# KiCad board hall effect keyboard.kicad_pcb (continued)
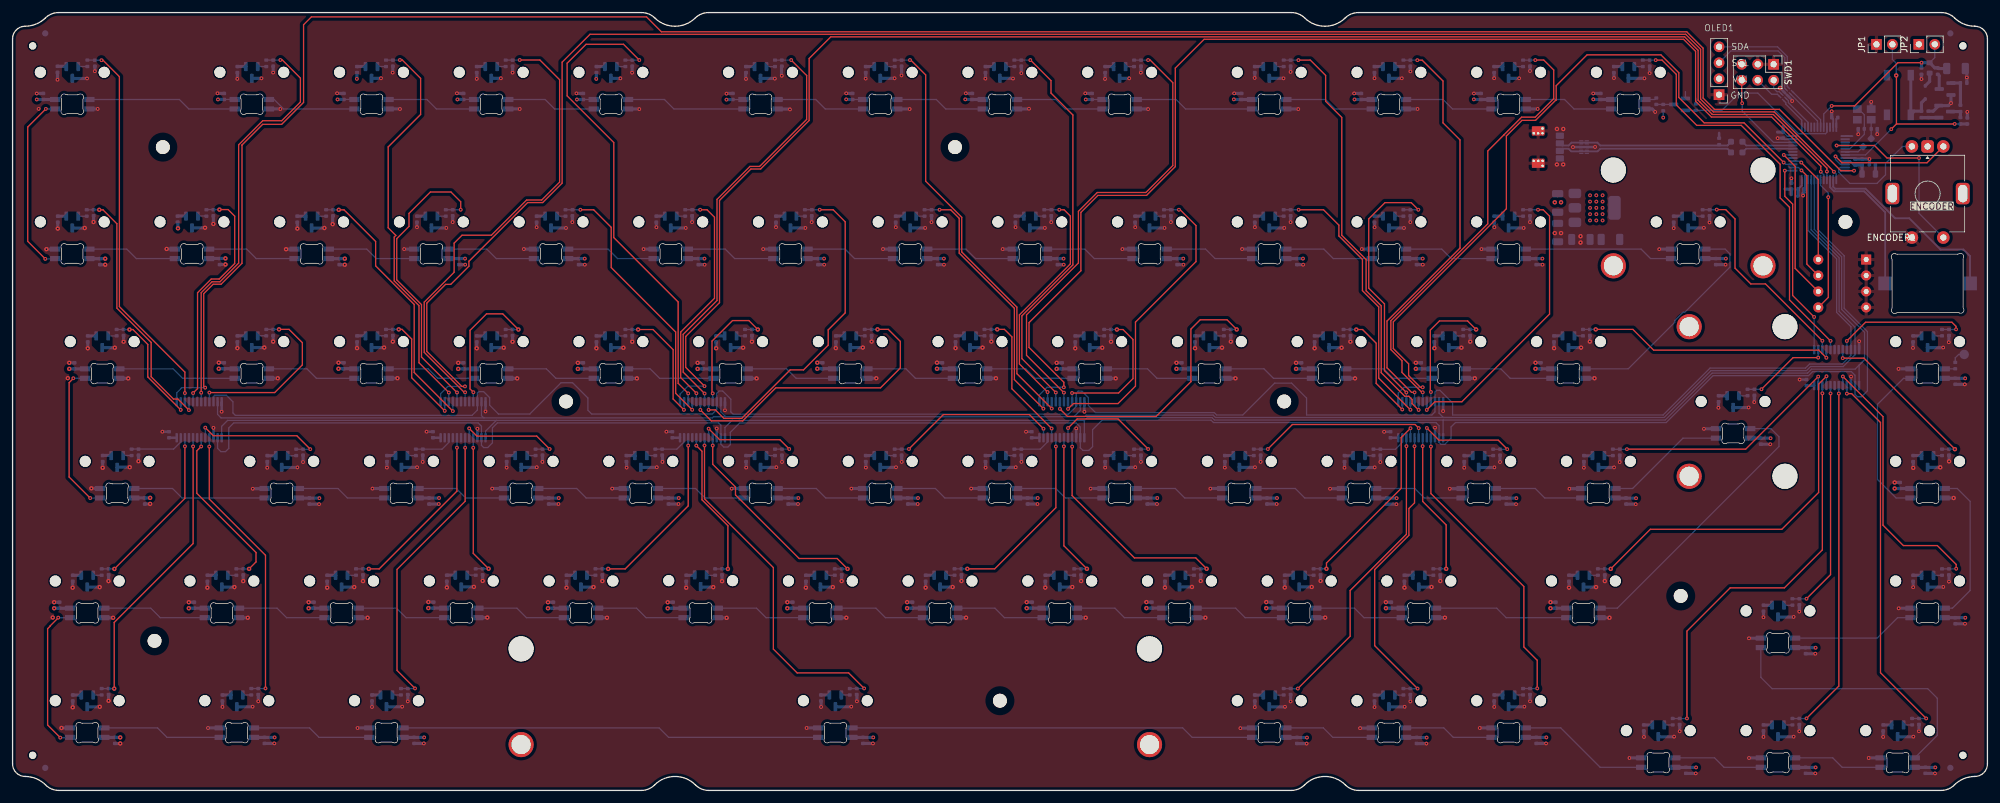
[diagram p0: board, top side]
## Routing (per net, layer and track width the routed paths; a pad name or vN(x,y) marks a point on that pad's centre or on a via; arc(x,y) is an arc through that point) (continued)
/multiplexers/keys/KEYS_2_9: length 43.7
  Top w0.2: v1(166.68,60.72) 167.88,59.52 182,59.52 187.54,65.06 187.54,65.07 187.54,73.43 189.02,74.91 193.28,74.91 v2(194.82,73.36)
  Bottom w0.2: 166.68,61.85 166.68,60.73 v1(166.68,60.72) ; v2(194.82,73.36) 192.79,73.36
/multiplexers/keys/KEYS_2_10: length 19.6
  Top w0.2: v2(213.85,73.35) 214.85,73.35 217.02,71.18 217.02,64.78 v1(221.17,60.63)
  Bottom w0.2: v2(213.85,73.35) 211.81,73.35 ; 221.18,61.85 221.18,60.64 v1(221.17,60.63)
/multiplexers/keys/KEYS_2_11: length 21.9
  Top w0.2: v1(225.73,63.41) 225.63,63.51 225.63,73.27 227.09,74.72 231.57,74.72 v2(232.92,73.36)
  Bottom w0.2: v2(232.92,73.36) 230.88,73.36 ; v1(225.73,63.41) 225.73,63.41 225.73,61.85
/multiplexers/keys/KEYS_2_12: length 41.9
  Top w0.2: v1(288.67,68.86) 287.46,70.07 261.18,70.07 257.88,73.37 v2(251.96,73.37)
  Bottom w0.2: 249.93,73.37 v2(251.96,73.37) ; v1(288.67,68.86) 288.68,68.87 U10.4
/multiplexers/keys/KEYS_2_13: length 14.6
  Top w0.2: v1(278.34,63.85) 283.37,68.88 v1(287.37,68.88)
  Bottom w0.2: 277.19,63.83 278.31,63.83 ; U10.2 287.38,68.89 v1(287.37,68.88) ; 276.09,63.83 277.19,63.83
/multiplexers/keys/KEYS_2_14: length 23
  Top w0.2: v1(309.3,73.39) 309.3,73.86 308.65,74.51 294.9,74.51 v1(291.92,71.53)
  Bottom w0.2: 307.06,73.36 309.28,73.36 ; v1(291.92,71.53) 291.93,71.53 U10.9
/multiplexers/keys/KEYS_3_0: length 9
  Bottom w0.2: 18.94,54.33 25.64,54.33 26.78,55.47 U5.23
/multiplexers/keys/KEYS_3_1: length 22
  Top w0.2: v1(30.67,57.74) 31.96,56.45 45.24,56.45 v1(47.38,54.31)
  Bottom w0.2: 45.13,54.29 46.23,54.29 ; 46.23,54.29 47.35,54.29 ; v1(30.67,57.74) 30.68,57.74 U5.17
/multiplexers/keys/KEYS_3_2: length 6.4
  Bottom w0.2: 64.18,54.31 68.35,54.31 69.43,55.39 U6.22
/multiplexers/keys/KEYS_3_3: length 17.9
  Top w0.2: v1(85.48,54.34) 83.42,56.39 73.9,56.39 v1(72.67,57.62)
  Bottom w0.2: U6.17 72.68,57.62 v1(72.67,57.62) ; 83.23,54.31 85.45,54.31
/multiplexers/keys/KEYS_3_4: length 5.7
  Bottom w0.2: 102.33,54.31 105.71,54.31 106.88,55.47 U7.23
/multiplexers/keys/KEYS_3_5: length 17.8
  Top w0.2: v1(123.6,54.34) 122.12,55.82 112.53,55.82 v1(110.78,57.57)
  Bottom w0.2: 121.36,54.31 123.58,54.31 ; U7.17 110.78,57.57 v1(110.78,57.57)
/multiplexers/keys/KEYS_3_6: length 28.3
  Top w0.2: v1(142.65,54.34) 148.14,59.82 161.82,59.82 v1(164.07,57.57)
  Bottom w0.2: U8.23 164.08,57.57 v1(164.07,57.57) ; 140.41,54.31 142.63,54.31
/multiplexers/keys/KEYS_3_7: length 6.4
  Bottom w0.2: 159.46,54.31 163.56,54.31 164.73,55.47 U8.22
/multiplexers/keys/KEYS_3_8: length 19.1
  Top w0.2: v1(180.73,54.34) 175.94,59.12 169.43,59.12 v1(167.98,57.67)
  Bottom w0.2: 178.48,54.31 180.7,54.31 ; v1(167.98,57.67) 167.98,57.67 U8.17
/multiplexers/keys/KEYS_3_9: length 29.6
  Top w0.2: v1(223.79,57.66) 223.21,58.24 203.68,58.24 v1(199.78,54.34)
  Bottom w0.2: U9.19 223.78,57.65 v1(223.79,57.66) ; 199.75,54.31 197.53,54.31
/multiplexers/keys/KEYS_3_10: length 5.8
  Bottom w0.2: 216.58,54.29 217.68,54.29 ; 217.68,54.29 220.07,54.29 221.18,55.39 U9.23
/multiplexers/keys/KEYS_3_11: length 18
  Top w0.2: v1(225.08,57.68) 227.01,55.75 236.44,55.75 v1(237.88,54.31)
  Bottom w0.2: 236.73,54.29 237.85,54.29 ; v1(225.08,57.68) 225.08,57.68 U9.17 ; 235.63,54.29 236.73,54.29
/multiplexers/keys/KEYS_3_12: length 38.9
  Top w0.2: v1(287.37,65.86) 275.82,54.31 v1(256.93,54.31)
  Bottom w0.2: 254.68,54.29 255.78,54.29 ; v1(287.37,65.86) 287.38,65.86 U10.23 ; 255.78,54.29 256.9,54.29
/multiplexers/keys/KEYS_3_13: length 27.2
  Top w0.2: v2(309.13,54.32) 294.65,68.8 v1(291.27,68.8)
  Bottom w0.2: v1(291.27,68.8) 291.28,68.8 U10.8 ; v2(309.13,54.32) 307.09,54.32
/multiplexers/keys/KEYS_4_0: length 27.6
  Top w0.2: v2(16.2,35.25) 27.43,46.48 v1(27.43,54.77)
  Bottom w0.2: U5.22 27.43,54.78 v1(27.43,54.77) ; v2(16.2,35.25) 14.16,35.25
/multiplexers/keys/KEYS_4_1: length 27.6
  Top w0.2: v2(37.64,35.26) 37.64,35.26 38.75,36.37 38.75,37.86 29.32,47.29 29.32,54.04 v1(30.02,54.74)
  Bottom w0.2: U5.18 30.03,54.75 v1(30.02,54.74) ; 35.6,35.26 v2(37.64,35.26)
/multiplexers/keys/KEYS_4_2: length 29.7
  Top w0.2: v2(56.71,35.26) 58.35,35.26 70.72,47.63 v1(70.72,54.55)
  Bottom w0.2: U6.20 70.73,54.56 v1(70.72,54.55) ; 54.67,35.26 v2(56.71,35.26)
/multiplexers/keys/KEYS_4_3: length 23.9
  Top w0.2: v1(73.32,54.53) 73.32,37.72 v2(75.76,35.29)
  Bottom w0.2: 73.72,35.29 v2(75.76,35.29) ; U6.16 73.33,54.54 v1(73.32,54.53)
/multiplexers/keys/KEYS_4_4: length 29.8
  Top w0.2: v2(94.8,35.26) 97.49,35.26 107.53,45.29 v1(107.53,54.88)
  Bottom w0.2: 92.76,35.26 v2(94.8,35.26) ; v1(107.53,54.88) 107.53,54.89 U7.22
/multiplexers/keys/KEYS_4_5: length 25
  Top w0.2: v2(113.85,35.25) 113.85,42.13 109.72,46.26 109.72,53.98 v1(108.82,54.88)
  Bottom w0.2: v1(108.82,54.88) 108.83,54.89 U7.20 ; v2(113.85,35.25) 111.81,35.25
/multiplexers/keys/KEYS_4_6: length 35.3
  Top w0.2: v2(132.89,35.26) 131.23,36.91 125.18,36.91 115.05,47.04 115.05,48.29 111.43,51.91 v1(111.43,54.9)
  Bottom w0.2: v2(132.89,35.26) 130.85,35.26 ; v1(111.43,54.9) 111.43,54.91 U7.16
/multiplexers/keys/KEYS_4_7: length 31.3
  Top w0.2: v1(166.04,54.74) 166.04,45 156.31,35.27 v2(151.95,35.27)
  Bottom w0.2: v2(151.95,35.27) 149.91,35.27 ; v1(166.04,54.74) 166.03,54.76 U8.20
/multiplexers/keys/KEYS_4_8: length 24.4
  Top w0.2: v2(170.99,35.27) 167.32,38.93 v1(167.32,54.76)
  Bottom w0.2: U8.18 167.33,54.77 v1(167.32,54.76) ; 168.95,35.27 v2(170.99,35.27)
/multiplexers/keys/KEYS_4_9: length 37.5
  Top w0.2: v2(190.04,35.28) 188.3,37.01 178.54,37.01 168.63,46.92 v1(168.63,54.71)
  Bottom w0.2: v2(190.04,35.28) 188,35.28 ; v1(168.63,54.71) 168.63,54.72 U8.16
/multiplexers/keys/KEYS_4_10: length 31.5
  Top w0.2: v1(222.48,57.64) 221,56.16 221,48.08 209.11,36.19 v2(209.11,35.28)
  Bottom w0.2: v2(209.11,35.28) 207.07,35.28 ; U9.21 222.48,57.64 v1(222.48,57.64)
/multiplexers/keys/KEYS_4_11: length 24.5
  Top w0.2: v2(228.16,35.27) 228.16,42.25 224.42,45.99 v1(224.42,54.79)
  Bottom w0.2: v1(224.42,54.79) 224.43,54.8 U9.18 ; v2(228.16,35.27) 226.12,35.27
/multiplexers/keys/KEYS_4_12: length 60.7
  Top w0.2: v1(288.68,65.91) 287.43,64.66 287.43,47.41 281.58,41.56 260.65,41.56 v2(254.35,35.26)
  Bottom w0.2: 252.31,35.26 v2(254.35,35.26) ; U10.21 288.68,65.91 v1(288.68,65.91)
/multiplexers/keys/KEYS_4_13: length 45
  Top w0.2: v1(309.33,35.29) 309.33,35.96 306.32,38.97 300.92,38.97 297.68,42.21 297.68,59.49 v1(291.29,65.88) 291.22,65.81
  Bottom w0.2: v1(291.29,65.88) 291.28,65.87 U10.17 ; 307.08,35.26 309.3,35.26
/multiplexers/keys/KEYS_4_14: length 37.7
  Top w0.2: v1(289.33,63.18) 289.33,34.34 v1(285.5,30.51)
  Bottom w0.2: v1(289.33,63.18) 289.32,63.19 U10.20 ; 284.36,30.49 285.48,30.49 ; 283.26,30.49 284.36,30.49
/multiplexers/keys/KEYS_5_0: length 47.1
  Top w0.2: v1(28.73,54.75) 28.73,39.29 16.18,26.74 v2(16.18,16.2)
  Bottom w0.2: v2(16.18,16.2) 14.18,16.2 ; U5.20 28.73,54.76 v1(28.73,54.75)
/multiplexers/keys/KEYS_5_1: length 45.8
  Top w0.2: v1(40.25,16.24) 40.25,37.43 31.31,46.37 v1(31.31,54.73)
  Bottom w0.2: 38.01,16.21 40.23,16.21 ; U5.16 31.33,54.75 v1(31.31,54.73)
/multiplexers/keys/KEYS_5_2: length 47.8
  Top w0.2: v1(72.03,54.54) 72.03,46.02 61.19,35.18 61.19,19.1 v1(64.05,16.24)
  Bottom w0.2: 64.03,16.21 61.81,16.21 ; U6.18 72.03,54.55 v1(72.03,54.54)
/multiplexers/keys/KEYS_5_3: length 57.4
  Top w0.2: v1(110.12,54.9) 110.12,46.42 121.08,35.46 121.08,22.49 124.87,18.7 133.06,18.7 v1(135.53,16.24)
  Bottom w0.2: U7.18 110.13,54.91 v1(110.12,54.9) ; 133.28,16.21 135.5,16.21
/multiplexers/keys/KEYS_5_4: length 49.3
  Top w0.2: v1(221.83,54.79) 221.83,40.77 212.88,31.82 212.88,24.54 v1(204.55,16.21)
  Bottom w0.2: v1(221.83,54.79) 221.83,54.8 U9.22 ; 202.31,16.19 203.41,16.19 ; 203.41,16.19 204.53,16.19
/multiplexers/keys/KEYS_5_5: length 47.6
  Top w0.2: v1(223.6,16.21) 216.78,23.03 216.78,35.15 222.23,40.6 222.23,44.87 223.12,45.76 v1(223.12,54.77)
  Bottom w0.2: U9.20 223.13,54.78 v1(223.12,54.77) ; 222.46,16.19 223.58,16.19 ; 221.36,16.19 222.46,16.19
/multiplexers/keys/KEYS_5_6: length 49.1
  Top w0.2: v1(242.65,16.24) 242.65,20.71 240.52,22.84 240.52,32.45 225.73,47.24 v1(225.73,54.73)
  Bottom w0.2: 242.63,16.21 240.41,16.21 ; v1(225.73,54.73) 225.73,54.74 U9.16
/multiplexers/keys/KEYS_5_7: length 69.2
  Top w0.2: v1(266.48,11.46) 266.48,25.36 273.36,32.24 281.99,32.24 288.03,38.28 v1(288.03,63.2)
  Bottom w0.2: 264.23,11.44 266.45,11.44 ; v1(288.03,63.2) 288.03,63.21 U10.22
/multiplexers/keys/KEYS_5_8: length 57.3
  Top w0.2: v1(290.65,63.17) 290.65,16.61 v1(285.5,11.46)
  Bottom w0.2: v1(290.65,63.17) 290.62,63.2 U10.18 ; 283.26,11.44 285.48,11.44
/multiplexers/keys/KEYS_5_9: length 60.9
  Top w0.2: v1(304.55,11.46) 297.28,18.73 297.28,58.56 292.69,63.15 v1(291.93,63.15)
  Bottom w0.2: 302.31,11.44 304.53,11.44 ; U10.16 291.93,63.16 v1(291.93,63.15)
/OSC_IN: length 8.6
  Bottom w0.2: U1.5 292.43,102.14 294.7,104.41 C172.1 294.7,107.54 293.8,108.44 Y1.1
/OSC_OUT: length 3.2
  Bottom w0.2: R87.2 293.7,101.64 U1.6
/reset/switch: length 10.4
  Bottom w0.2: D1.2 304.39,110.03
  Bottom w0.5: 304.39,110.03 303.8,109.44 R93.2 302.68,108.11 SW1.2 SW1.2
/rgb_led/RGB_DATA_IN: length 1.8
  Bottom w0.2: R97.2 261.36,109.97 LED1.4
/rgb_led/sk6812mini-e1/Dout: length 14.2
  Bottom w0.2: LED2.2 229.17,108.46 227.66,109.97 LED3.4
/rgb_led/sk6812mini-e2/Dout: length 14.2
  Bottom w0.2: LED4.4 208.96,109.97 210.47,108.46 LED3.2
/rgb_led/sk6812mini-e3/Dout: length 19
  Bottom w0.2: LED5.4 185.17,109.97 186.68,108.46 LED4.2
/rgb_led/sk6812mini-e4/Dout: length 14.2
  Bottom w0.2: LED5.2 167.55,108.46 166.04,109.97 LED6.4
/rgb_led/sk6812mini-e5/Dout: length 14.2
  Bottom w0.2: LED6.2 148.52,108.46 147.01,109.97 LED7.4
/rgb_led/sk6812mini-e6/Dout: length 14.2
  Bottom w0.2: LED7.2 129.34,108.46 127.83,109.97 LED8.4
/rgb_led/sk6812mini-e7/Dout: length 19
  Bottom w0.2: LED9.4 103.75,109.97 105.26,108.46 LED8.2
/rgb_led/sk6812mini-e8/Dout: length 14.2
  Bottom w0.2: LED9.2 86.27,108.46 84.76,109.97 LED10.4
/rgb_led/sk6812mini-e10/Din: length 14.2
  Bottom w0.2: LED11.4 65.95,109.97 67.46,108.46 LED10.2
/rgb_led/sk6812mini-e10/Dout: length 14.2
  Bottom w0.2: LED12.4 41.62,109.97 43.13,108.46 LED11.2
/rgb_led/sk6812mini-e11/Dout: length 23.8
  Bottom w0.2: LED13.4 26.55,109.97 28.06,108.46 LED12.2
/rgb_led/sk6812mini-e13/Dout: length 14.2
  Bottom w0.2: LED28.2 238.35,65.59 236.84,67.1 LED29.4
/rgb_led/sk6812mini-e14/Dout: length 14.2
  Bottom w0.2: LED29.2 219.72,65.59 218.21,67.1 LED30.4
/rgb_led/sk6812mini-e15/Dout: length 14.2
  Bottom w0.2: LED31.4 199.16,67.1 200.67,65.59 LED30.2
/rgb_led/sk6812mini-e16/Dout: length 14.2
  Bottom w0.2: LED31.2 182.13,65.59 180.62,67.1 LED32.4
/rgb_led/sk6812mini-e17/Dout: length 14.2
  Bottom w0.2: LED33.4 161.24,67.1 162.75,65.59 LED32.2
/rgb_led/sk6812mini-e18/Dout: length 14.2
  Bottom w0.2: LED34.4 142.18,67.1 143.69,65.59 LED33.2
/rgb_led/sk6812mini-e19/Dout: length 14.2
  Bottom w0.2: LED35.4 123.19,67.1 124.7,65.59 LED34.2
/rgb_led/sk6812mini-e20/Dout: length 14.2
  Bottom w0.2: LED35.2 102.98,65.59 101.47,67.1 LED36.4
/rgb_led/sk6812mini-e21/Dout: length 14.2
  Bottom w0.2: LED37.4 84.95,67.1 86.46,65.59 LED36.2
/rgb_led/sk6812mini-e22/Dout: length 14.2
  Bottom w0.2: LED37.2 67.67,65.59 66.16,67.1 LED38.4
/rgb_led/sk6812mini-e23/Dout: length 14.2
  Bottom w0.2: LED38.2 48.36,65.59 46.85,67.1 LED39.4
/rgb_led/sk6812mini-e24/Dout: length 19
  Bottom w0.2: LED39.2 27.06,65.59 25.55,67.1 LED40.4
/rgb_led/sk6812mini-e27/Dout: length 21.4
  Bottom w0.2: LED56.4 236.2,29 237.71,27.49 LED55.2
/rgb_led/sk6812mini-e28/Dout: length 14.2
  Bottom w0.2: LED57.4 213.57,29 215.08,27.49 LED56.2
/rgb_led/sk6812mini-e29/Dout: length 14.2
  Bottom w0.2: 202.04,27.49 196.17,27.49 194.66,29 LED58.4
/rgb_led/sk6812mini-e30/Dout: length 14.2
  Bottom w0.2: 169.39,29 175.45,29 176.96,27.49 LED58.2
/rgb_led/sk6812mini-e31/Dout: length 14.2
  Bottom w0.2: LED60.4 156.35,29 157.86,27.49 LED59.2
/rgb_led/sk6812mini-e32/Dout: length 14.2
  Bottom w0.2: LED61.4 137.41,29 138.92,27.49 LED60.2
/rgb_led/sk6812mini-e33/Dout: length 14.2
  Bottom w0.2: LED62.4 118.41,29 119.92,27.49 LED61.2
/rgb_led/sk6812mini-e34/Dout: length 14.2
  Bottom w0.2: LED62.2 100.83,27.49 99.32,29 LED63.4
/rgb_led/sk6812mini-e35/Dout: length 14.2
  Bottom w0.2: LED64.4 80.28,29 81.79,27.49 LED63.2
/rgb_led/sk6812mini-e36/Dout: length 14.2
  Bottom w0.2: LED64.2 62.62,27.49 61.11,29 55.09,29
/rgb_led/sk6812mini-e37/Dout: length 14.2
  Bottom w0.2: LED65.2 43.62,27.49 42.11,29 LED66.4
/rgb_led/sk6812mini-e38/Dout: length 16.6
  Bottom w0.2: LED67.4 21.99,29 23.5,27.49 LED66.2
/rgb_led/sk6812mini-e-rot1/Dout: length 14.2
  Bottom w0.2: LED16.4 38.77,84.64 37.26,86.15 31.28,86.15
/rgb_led/sk6812mini-e-rot2/Dout: length 14.2
  Bottom w0.2: LED16.2 56.36,86.15 57.87,84.64 63.92,84.64
/rgb_led/sk6812mini-e-rot3/Dout: length 14.2
  Bottom w0.2: LED17.2 75.47,86.15 76.98,84.64 LED18.4
/rgb_led/sk6812mini-e-rot4/Dout: length 14.2
  Bottom w0.2: 102.02,84.64 96.29,84.64 94.78,86.15 LED18.2
/rgb_led/sk6812mini-e-rot5/Dout: length 14.2
  Bottom w0.2: LED20.4 114.93,84.64 113.42,86.15 LED19.2
/rgb_led/sk6812mini-e-rot6/Dout: length 14.2
  Bottom w0.2: LED21.4 134.01,84.64 132.5,86.15 LED20.2
/rgb_led/sk6812mini-e-rot7/Dout: length 14.2
  Bottom w0.2: LED22.4 153.26,84.64 151.75,86.15 LED21.2
/rgb_led/sk6812mini-e-rot8/Dout: length 14.2
  Bottom w0.2: LED23.4 172.16,84.64 170.65,86.15 LED22.2
/rgb_led/sk6812mini-e-rot10/Din: length 14.2
  Bottom w0.2: LED23.2 189.87,86.15 191.38,84.64 LED24.4
/rgb_led/sk6812mini-e-rot10/Dout: length 14.2
  Bottom w0.2: LED25.4 210.2,84.64 208.69,86.15 LED24.2
/rgb_led/sk6812mini-e-rot11/Dout: length 14.2
  Bottom w0.2: LED25.2 227.45,86.15 228.96,84.64 LED26.4
/rgb_led/sk6812mini-e-rot12/Dout: length 23.8
  Bottom w0.2: 240.82,86.15 259.18,86.15 260.69,84.64 LED27.4
/rgb_led/sk6812mini-e-rot13/Dout: length 36.2
  Bottom w0.2: LED28.4 257.13,67.1 264.53,74.51 264.53,74.76 265.88,76.11 266.14,76.11 273.32,83.29 273.32,85.39 272.56,86.15 LED27.2
/rgb_led/sk6812mini-e-rot14/Din: length 21.4
  Bottom w0.2: 40.11,46.54 26.97,46.54 25.46,48.05 LED41.2
/rgb_led/sk6812mini-e-rot14/Dout: length 14.2
  Bottom w0.2: LED43.4 53.3,46.54 51.79,48.05 LED42.2
/rgb_led/sk6812mini-e-rot15/Dout: length 14.2
  Bottom w0.2: LED43.2 70.61,48.05 72.12,46.54 LED44.4
/rgb_led/sk6812mini-e-rot16/Dout: length 14.2
  Bottom w0.2: LED44.2 89.78,48.05 91.29,46.54 LED45.4
/rgb_led/sk6812mini-e-rot17/Dout: length 14.2
  Bottom w0.2: LED46.4 110.21,46.54 108.7,48.05 LED45.2
/rgb_led/sk6812mini-e-rot18/Dout: length 14.2
  Bottom w0.2: LED47.4 129.42,46.54 127.91,48.05 LED46.2
/rgb_led/sk6812mini-e-rot19/Dout: length 14.2
  Bottom w0.2: LED47.2 146.87,48.05 148.38,46.54 LED48.4
/rgb_led/sk6812mini-e-rot20/Dout: length 14.2
  Bottom w0.2: LED49.4 167.56,46.54 166.05,48.05 159.86,48.05
/rgb_led/sk6812mini-e-rot21/Dout: length 14.2
  Bottom w0.2: 192.51,46.54 186.56,46.54 185.05,48.05 LED49.2
/rgb_led/sk6812mini-e-rot22/Dout: length 14.2
  Bottom w0.2: LED50.2 204.15,48.05 205.66,46.54 LED51.4
/rgb_led/sk6812mini-e-rot23/Dout: length 14.2
  Bottom w0.2: LED52.4 224.67,46.54 223.16,48.05 LED51.2
/rgb_led/sk6812mini-e-rot24/Dout: length 14.2
  Bottom w0.2: LED52.2 242.34,48.05 243.85,46.54 LED53.4
/rgb_led/sk6812mini-e-rot25/Dout: length 19.3
  Bottom w0.2: LED54.4 265.85,56.07 257.83,48.05 255.11,48.05
/rgb_led/sk6812mini-e-rot26/Dout: length 45.7
  Bottom w0.2: LED54.2 279.83,57.58 281.12,56.29 281.12,54.73 255.39,29 LED55.4
/rgb_led/sk6812mini-e-rot27/Din: length 24
  Top w0.2: v1(7.27,27.5) 7.27,27.47 6.01,26.22 6.01,26.17 5.58,25.74 5.58,10.42 v1(7.59,8.4)
  Bottom w0.2: 9.13,27.49 7.27,27.49 ; 9.09,8.39 7.6,8.39 ; 7.12,27.49 7.11,27.5
/rgb_led/sk6812mini-e-rot27/Dout: length 19
  Bottom w0.2: LED68.2 23.07,9.95 24.58,8.44 LED69.4
/rgb_led/sk6812mini-e-rot28/Dout: length 19
  Bottom w0.2: LED69.2 47.26,9.95 48.77,8.44 LED70.4
/rgb_led/sk6812mini-e-rot29/Dout: length 66.6
  Bottom w0.2: LED71.4 104.41,8.44 102.9,9.95 LED70.2
/rgb_led/sk6812mini-e-rot30/Dout: length 64.2
  Bottom w0.2: LED71.2 186.23,9.95 187.74,8.44 LED72.4
/rgb_led/sk6812mini-e-rot31/Dout: length 14.2
  Bottom w0.2: LED73.4 210.12,8.44 208.61,9.95 LED72.2
/rgb_led/sk6812mini-e-rot32/Dout: length 14.2
  Bottom w0.2: LED73.2 227.78,9.95 229.29,8.44 LED74.4
/rgb_led/sk6812mini-e-rot33/Dout: length 21
  Bottom w0.2: LED74.2 246.39,9.95 252.66,3.68 LED75.4
/rgb_led/sk6812mini-e-rot34/Dout: length 14.2
  Bottom w0.2: 264.64,5.19 270.86,5.19 272.37,3.68 LED76.4
/rgb_led/sk6812mini-e-rot35/Dout: length 14.2
  Bottom w0.2: LED76.2 289.67,5.19 291.18,3.68 297.29,3.68
/rgb_led/sk6812mini-e-rot36/Dout: length 45.2
  Bottom w0.2: LED77.2 306.32,8.77 306.32,14.63 306.34,14.65 304.8,16.19 280.04,16.19 278.24,17.99 LED78.4
/rgb_led/sk6812mini-e-rot37/Dout: length 19.7
  Bottom w0.2: LED78.2 296.75,24.24 300,27.49 LED79.4
/rgb_led/sk6812mini-e-rot38/Din: length 24.1
  Top w0.2: v1(12.36,46.53) 9,49.89 9,64.9 9.67,65.57 v1(9.67,65.6)
  Bottom w0.2: LED40.2 9.68,65.59 v1(9.67,65.6) ; 13.85,46.52 12.36,46.52
/rgb_led/sk6812mini-e-rot39/Dout: length 24.3
  Bottom w0.2: LED79.2 308.72,29 311.55,31.83 311.55,46 309.5,48.05 LED80.4
/rgb_led/sk6812mini-e-rot40/Din: length 25.4
  Bottom w0.2: LED81.4 300.95,65.59 296.8,61.44 296.8,49.5 299.76,46.54 LED80.2
/rgb_led/sk6812mini-e-rot40/Dout: length 1.7
  Bottom w0.2: LED81.2 309.17,67.1 R96.2
/rgb_led/sk6812mini-e-rot/Din: length 29.2
  Top w0.2: v1(5.3,108.47) 5.3,108.47 2.41,105.58 2.41,87.4 v1(5.2,84.6)
  Bottom w0.2: 6.77,108.46 5.31,108.46 v1(5.3,108.47) ; 6.7,84.59 5.21,84.59
/rgb_led/sk6812mini-e-rot/Dout: length 14.2
  Bottom w0.2: LED14.2 18.18,86.15 19.69,84.64 LED15.4
/rgb_led/sk6812mini-e/Dout: length 14.2
  Bottom w0.2: LED2.4 247,109.97 248.51,108.46 LED1.2
/S0: length 332
  Bottom w0.2: 31.98,61.85 31.98,62.7 32.17,62.89 34.03,62.89 35.07,61.85 35.07,60.08 35.46,59.69 73.13,59.69 73.98,60.54 73.98,63.26 74.19,63.47 74.96,63.47 75.93,62.51 75.93,61.31 77.34,59.9 82.31,59.9 87.29,64.88 89.13,64.88 91.56,62.45 91.56,60.51 92.17,59.9 111.36,59.9 112.08,60.62 112.08,63.2 112.45,63.57 113.01,63.57 114.31,62.27 114.31,60.24 114.67,59.88 168.04,59.88 169.28,61.12 169.28,63.24 169.58,63.54 170.19,63.54 171.22,62.52 171.22,61.26 172.35,60.13 191.24,60.13 191.62,59.75 195.79,59.75 200.86,64.82 203.56,64.82 205.94,62.44 205.94,59.75 225.88,59.75 226.38,60.25 226.38,63.4 226.66,63.68 227.15,63.68 229.18,61.66 229.18,59.75 262.68,59.75 270.14,67.22 285.34,67.22 285.98,67.86 291.18,67.86 292.57,69.25 U10.10 292.57,73.81 290.3,76.08 290.3,84.6 285.75,89.15 U1.22
/S1: length 310.4
  Bottom w0.2: 228.97,59.35 262.84,59.35 270.31,66.82 285.5,66.82 286.15,67.46 291.35,67.46 293.23,69.34 U10.11 293.23,73.72 290.7,76.25 290.7,84.77 286.25,89.22 U1.21 ; 228.97,59.35 191.45,59.35 191.07,59.73 170.85,59.73 170.6,59.48 113.52,59.48 ; 228.97,59.35 227.71,59.35 227.03,60.04 227.03,61.85 ; 168.92,59.48 169.93,60.49 169.93,61.85 ; 74.63,61.85 74.63,59.66 74.99,59.29 111.37,59.29 111.56,59.48 113.52,59.48 ; 32.63,61.85 32.63,59.85 33.18,59.29 75.01,59.29 ; 113.52,59.48 112.73,60.28 112.73,61.85
/S2: length 337.8
  Bottom w0.2: U1.19 287.25,89.35 291.5,85.1 291.5,76.73 295.2,73.03 295.2,63.59 294.27,62.66 293.61,62.66 293.23,63.05 U10.14 293.23,66.08 292.65,66.65 286.47,66.65 285.83,66.02 270.64,66.02 263.18,58.55 229.64,58.55 228.94,57.85 228.94,56.09 227.94,55.09 227.33,55.09 227.03,55.39 U9.14 227.03,58.06 226.53,58.55 191.12,58.55 190.74,58.93 173.4,58.93 171.89,57.42 171.89,54.72 171.28,54.11 170.35,54.11 169.93,54.54 U8.14 169.93,57.83 169.26,58.49 115.73,58.49 114.23,56.99 114.23,55.04 113.84,54.65 113.19,54.65 112.73,55.12 U7.14 112.73,58.13 112.36,58.49 77.16,58.49 76.37,57.71 76.37,55.32 75.62,54.57 74.97,54.57 74.63,54.92 U6.14 74.63,57.97 74.1,58.49 35.2,58.49 34.41,57.7 34.41,54.45 33.88,53.92 33.15,53.92 32.63,54.45 U5.14
/S3: length 316.2
  Bottom w0.2: 170.58,58.89 115.63,58.89 115.63,58.89 114.51,58.89 ; 170.58,58.89 U8.13 ; 170.58,58.89 171.02,59.33 190.91,59.33 191.29,58.95 227.7,58.95 ; 294.38,68.19 293.88,67.69 U10.13 ; 294.38,68.19 293.24,67.05 286.3,67.05 285.67,66.42 270.48,66.42 263.01,58.95 227.7,58.95 ; 294.38,68.19 294.74,68.55 294.74,72.92 291.1,76.56 291.1,84.93 286.75,89.28 U1.20 ; 227.7,58.95 227.68,58.93 U9.13 ; 114.51,58.89 76.99,58.89 ; 114.51,58.89 113.38,57.76 U7.13 ; 76.99,58.89 75.28,57.18 U6.13 ; 76.99,58.89 34.22,58.89 33.28,57.95 U5.13
/SW_DIP_0: length 18
  Top w0.2: v1(284.68,99.93) 287.38,97.23 SW2.8
  Bottom w0.2: U1.28 284.47,100.14 v1(284.68,99.93)
/SW_DIP_1: length 19.4
  Top w0.2: v1(284.7,98.68) 285.56,97.82 285.56,83.77 SW2.7
  Bottom w0.2: U1.26 284.24,99.14 v1(284.7,98.68)
/SW_DIP_2: length 25.5
  Top w0.2: SW2.6 283.7,83.09 283.7,99.33 v1(281.89,101.14)
  Bottom w0.2: U1.30 v1(281.89,101.14)
/SW_DIP_3: length 21.5
  Top w0.2: v1(288.97,94.42) 288.97,78.46 SW2.5
  Bottom w0.2: v1(288.97,94.42) 288.97,95.08 287.75,96.3 U1.18
/SWCLK: length 10
  Bottom w0.2: U1.37 284.75,106.67 282.22,109.2 282.22,109.45 U3.10 ; U3.1 280.87,110.8 279.96,110.8 SWD1.4
/SWDIO: length 15.1
  Top w0.2: v1(275.27,109.37) 275.19,109.45 SWD1.6
  Bottom w0.2: v1(275.27,109.37) 275.27,108.12 280.25,103.14 U1.34
/SWO: length 9.1
  Bottom w0.2: U3.9 282.62,109.76 282.62,109.46 285.75,106.33 U1.39 ; SWD1.2 280.27,111.74 280.81,111.2 281.17,111.2 U3.2
/TIM8_CH1: length 27.2
  Bottom w0.2: U1.45 288.75,104.73 288.53,104.52 284.23,104.52 277.77,110.98 274.78,110.98 272.03,108.23 R99.1 Q1.2
/UDB_D+: length 28.7
  Bottom w0.2: R86.1 273.03,102.78
  Bottom w0.284: 273.55,103.25 272.94,102.64 252.69,102.64 252.23,103.1 248.1,103.1 247.64,102.64 246.67,102.64 246.31,103
/UDB_D-: length 27.5
  Bottom w0.284: 273.55,101.52 272.94,102.13 252.68,102.13 252.26,101.71 248.05,101.71 247.63,102.13 246.67,102.13
/USB_D+: length 8.3
  Bottom w0.258: R86.2 275.91,102.64 U1.33
/USB_D-: length 8.3
  Bottom w0.258: U1.32 275.91,102.14 R85.2
/~{RESET}: length 34.4
  Top w0.2: v1(309.09,106.07) 299.82,106.07 ; 299.82,106.07 299.82,113.75 v2(299.78,113.79) ; 299.82,106.07 v1(298.99,105.24)
  Bottom w0.2: U1.7 294.9,101.14 298.99,105.23 v1(298.99,105.24) ; R95.1 v1(309.09,106.07) ; JP1.2 299.18,116.33 299.78,115.73 v2(299.78,113.79)
  Bottom w0.5: C174.1 R95.1
Net-(C171-Pad1): length 3
  Bottom w0.2: R87.1 C171.1 Y1.3
Net-(D1-K): length 2.3
  Bottom w0.5: D1.1 305.1,112.83 R88.1
Net-(HALL1-VOUT): length 1.4
  Bottom w0.2: 10.48,115.18 10.51,115.22 R1.1
Net-(HALL2-VOUT): length 1.4
  Bottom w0.2: 40.38,115.22 39.03,115.22
Net-(HALL3-VOUT): length 1.4
  Bottom w0.2: 59.41,115.22 58.06,115.22
Net-(HALL4-VOUT): length 1.4
  Bottom w0.2: 78.49,115.22 77.14,115.22
Net-(HALL5-VOUT): length 1.4
  Bottom w0.2: 97.51,115.21 96.16,115.21
Net-(HALL6-VOUT): length 1.4
  Bottom w0.2: 121.27,115.19 119.92,115.19
Net-(HALL7-VOUT): length 1.4
  Bottom w0.2: R7.1 HALL7.3
Net-(HALL8-VOUT): length 1.4
  Bottom w0.2: R8.1 HALL8.3
Net-(HALL9-VOUT): length 1.4
  Bottom w0.2: R9.1 HALL9.3
Net-(HALL10-VOUT): length 1.4
  Bottom w0.2: HALL10.3 R10.1
Net-(HALL11-VOUT): length 1.4
  Bottom w0.5: R11.1 HALL11.3
Net-(HALL12-VOUT): length 1.4
  Bottom w0.2: R12.1 HALL12.3
Net-(HALL13-VOUT): length 1.4
  Bottom w0.2: R13.1 HALL13.3
Net-(HALL14-VOUT): length 1.3
  Bottom w0.2: 10.44,91.38 11.79,91.38
Net-(HALL15-VOUT): length 1.3
  Bottom w0.2: 29.58,91.42 30.92,91.42
Net-(HALL16-VOUT): length 1.3
  Bottom w0.2: 48.57,91.38 49.92,91.38
Net-(HALL17-VOUT): length 1.3
  Bottom w0.2: R17.1 HALL17.3
Net-(HALL18-VOUT): length 1.4
  Bottom w0.2: 88,91.39 86.65,91.39
Net-(HALL19-VOUT): length 1.3
  Bottom w0.2: 107.06,91.39 105.71,91.39
Net-(HALL20-VOUT): length 1.3
  Bottom w0.2: 126.09,91.39 124.74,91.39
Net-(HALL21-VOUT): length 1.4
  Bottom w0.2: 145.16,91.39 143.81,91.39
Net-(HALL22-VOUT): length 1.3
  Bottom w0.2: 164.21,91.39 162.86,91.39
Net-(HALL23-VOUT): length 1.3
  Bottom w0.2: 183.26,91.39 181.91,91.39
Net-(HALL24-VOUT): length 1.3
  Bottom w0.2: 202.31,91.39 200.96,91.39
Net-(HALL25-VOUT): length 1.4
  Bottom w0.2: 221.36,91.39 220.01,91.39
Net-(HALL26-VOUT): length 1.4
  Bottom w0.2: 240.41,91.39 240.4,91.38 239.07,91.38 239.06,91.39
Net-(HALL27-VOUT): length 1.4
  Bottom w0.2: R27.1 HALL27.3
Net-(HALL28-VOUT): length 1.4
  Bottom w0.2: 15.22,72.33 16.57,72.33
Net-(HALL29-VOUT): length 1.4
  Bottom w0.2: 39.02,72.36 40.37,72.36
Net-(HALL30-VOUT): length 1.3
  Bottom w0.2: 58.07,72.36 59.42,72.36
Net-(HALL31-VOUT): length 1.3
  Bottom w0.2: 77.12,72.33 78.47,72.33
Net-(HALL32-VOUT): length 1.3
  Bottom w0.2: 96.17,72.33 97.52,72.33
Net-(HALL33-VOUT): length 1.3
  Bottom w0.2: 115.22,72.33 116.57,72.33
Net-(HALL34-VOUT): length 1.3
  Bottom w0.2: 134.27,72.36 135.62,72.36
Net-(HALL35-VOUT): length 1.3
  Bottom w0.2: 153.32,72.36 154.67,72.36
Net-(HALL36-VOUT): length 1.4
  Bottom w0.2: 172.37,72.33 173.72,72.33
Net-(HALL37-VOUT): length 1.4
  Bottom w0.2: 191.44,72.34 192.79,72.34
Net-(HALL38-VOUT): length 1.4
  Bottom w0.2: 210.46,72.33 211.81,72.33
Net-(HALL39-VOUT): length 1.3
  Bottom w0.2: 229.54,72.34 230.88,72.34
Net-(HALL40-VOUT): length 1.4
  Bottom w0.2: 248.57,72.35 249.93,72.35
Net-(HALL41-VOUT): length 1.3
  Bottom w0.2: 276.09,62.81 274.74,62.81
Net-(HALL42-VOUT): length 1.3
  Bottom w0.2: 307.06,72.34 305.71,72.34
Net-(HALL43-VOUT): length 1.4
  Bottom w0.2: 17.59,53.31 18.94,53.31
Net-(HALL44-VOUT): length 1.3
  Bottom w0.2: 45.13,53.27 43.78,53.27
Net-(HALL45-VOUT): length 1.3
  Bottom w0.2: 64.18,53.29 62.83,53.29
Net-(HALL46-VOUT): length 1.3
  Bottom w0.2: 83.23,53.29 81.88,53.29
Net-(HALL47-VOUT): length 1.3
  Bottom w0.2: 102.33,53.29 100.98,53.29
Net-(HALL48-VOUT): length 1.3
  Bottom w0.2: 121.36,53.29 120.01,53.29
Net-(HALL49-VOUT): length 1.3
  Bottom w0.2: 140.41,53.29 139.06,53.29
Net-(HALL50-VOUT): length 1.3
  Bottom w0.2: 159.46,53.29 158.11,53.29
Net-(HALL51-VOUT): length 1.3
  Bottom w0.2: 178.48,53.29 177.13,53.29
Net-(HALL52-VOUT): length 1.3
  Bottom w0.2: 197.53,53.29 196.18,53.29
Net-(HALL53-VOUT): length 1.3
  Bottom w0.2: 216.58,53.27 215.23,53.27
Net-(HALL54-VOUT): length 1.3
  Bottom w0.2: 235.63,53.27 234.28,53.27
Net-(HALL55-VOUT): length 1.3
  Bottom w0.2: 254.68,53.27 253.33,53.27
Net-(HALL56-VOUT): length 1.4
  Bottom w0.2: 305.74,53.3 307.09,53.3
Net-(HALL57-VOUT): length 1.3
  Bottom w0.2: 12.82,34.23 14.16,34.23
Net-(HALL58-VOUT): length 1.4
  Bottom w0.2: 34.25,34.24 35.6,34.24
Net-(HALL59-VOUT): length 1.3
  Bottom w0.2: 53.32,34.24 54.67,34.24
Net-(HALL60-VOUT): length 1.3
  Bottom w0.2: 72.37,34.27 73.72,34.27
Net-(HALL61-VOUT): length 1.3
  Bottom w0.2: 91.41,34.24 92.76,34.24
Net-(HALL62-VOUT): length 1.3
  Bottom w0.2: 110.46,34.23 111.81,34.23
Net-(HALL63-VOUT): length 1.3
  Bottom w0.2: 129.5,34.24 130.85,34.24
Net-(HALL64-VOUT): length 1.4
  Bottom w0.2: 148.56,34.25 149.91,34.25
Net-(HALL65-VOUT): length 1.3
  Bottom w0.2: 167.6,34.25 168.95,34.25
Net-(HALL66-VOUT): length 1.4
  Bottom w0.2: 186.65,34.26 188,34.26
Net-(HALL67-VOUT): length 1.3
  Bottom w0.2: 205.72,34.26 207.07,34.26
Net-(HALL68-VOUT): length 1.3
  Bottom w0.2: 224.77,34.25 226.12,34.25
Net-(HALL69-VOUT): length 1.3
  Bottom w0.2: 250.96,34.24 252.31,34.24
Net-(HALL70-VOUT): length 1.3
  Bottom w0.2: 307.08,34.24 305.73,34.24
Net-(HALL71-VOUT): length 1.3
  Bottom w0.2: 283.26,29.47 281.91,29.47
Net-(HALL72-VOUT): length 1.4
  Bottom w0.2: 12.83,15.18 14.18,15.18
Net-(HALL73-VOUT): length 1.3
  Bottom w0.2: 38.01,15.19 36.66,15.19
Net-(HALL74-VOUT): length 1.3
  Bottom w0.2: 61.81,15.19 60.46,15.19
Net-(HALL75-VOUT): length 1.3
  Bottom w0.2: 133.28,15.19 131.93,15.19
Net-(HALL76-VOUT): length 1.3
  Bottom w0.2: 202.31,15.17 200.96,15.17
Net-(HALL77-VOUT): length 1.3
  Bottom w0.2: 221.36,15.17 220.01,15.17
Net-(HALL78-VOUT): length 1.3
  Bottom w0.2: 240.41,15.19 239.06,15.19
Net-(HALL79-VOUT): length 1.3
  Bottom w0.2: 264.23,10.42 262.88,10.42
Net-(HALL80-VOUT): length 1.3
  Bottom w0.2: 283.26,10.42 281.91,10.42
Net-(HALL81-VOUT): length 1.3
  Bottom w0.2: 302.31,10.42 300.96,10.42
Net-(Q1-D): length 2.8
  Bottom w0.2: R97.1 R98.1 Q1.3
Net-(Q2-D): length 2.4
  Bottom w0.5: R90.2 306.62,113.75 Q2.3
Net-(Q2-G): length 5
  Bottom w0.5: R92.1 R91.1 Q2.1
Net-(Q3-D): length 2.5
  Bottom w0.5: Q3.3 R92.2 R95.2
Net-(Q3-G): length 2.8
  Bottom w0.5: Q3.1 R94.1 R93.1
Net-(R96-Pad1): length 2.4
  Bottom w0.2: R96.1 309.18,68.85 309.72,69.39 TP1.1

## Copper pours and planes (outline as drawn; the poured copper is in the pictures)
GND on Top, Bottom, In1.Cu, In2.Cu: -17.18,140.49 338.42,140.49 338.42,-24.61 -17.18,-24.61

## Text on the board
User.Comments: 1u KNOB
F.Silkscreen: ENCODER
